# Altium PCB Slave.PcbDoc (part 10 of 11) (continued)
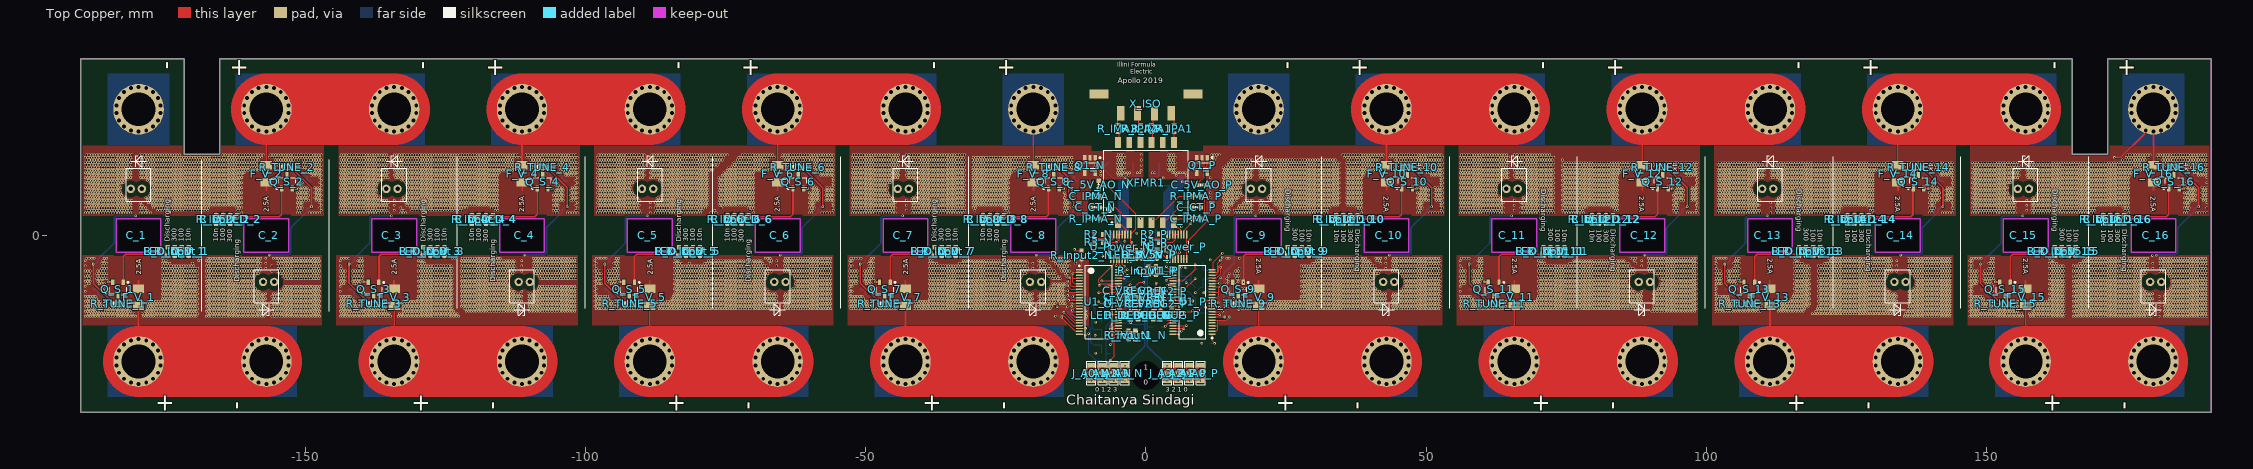
[diagram p0: Top Copper view]
## Nets (pads, with @x,y where several pads share a name; then routed paths per layer and width w, separated by ;. In a path a pad name is that pad's centre, name@x,y a point inside that pad or via, vN(x,y) a via of type N, cw(c..) or ccw(c..) an arc to the next point about the centre after c; other vN are vias at no path point) (continued)
NetC_CT_N_1: C_CT_N.1 XFMR1.2 | length 6.7
  Top Copper w0.102: C_CT_N.1@-8.25,5 -5.523,5 -3.4,2.876 -3.256,2.876 -2.797,2.417 XFMR1.2@-2.797,2.273
NetC_CT_P_1: C_CT_P.1 XFMR1.5 | length 6.3
  Top Copper w0.102: XFMR1.5@3.203,2.273 3.203,2.417 3.662,2.876 3.806,2.876 5.93,5 C_CT_P.1@8.25,5
NetC_IPMA_N_2: C_IPMA_N.2 R_IPMA_N.2 | length 4.7
  Top Copper w0.102: R_IPMA_N.2@-9.75,3 -9.775,3 -10.099,3.324 -10.099,3.349 -10.516,3.766 -10.516,6.234 -10.099,6.651 -10.099,6.676 -9.775,7 C_IPMA_N.2@-9.75,7
NetC_IPMA_P_2: C_IPMA_P.2 R_IPMA_P.2 | length 4.9
  Top Copper w0.102: C_IPMA_P.2@9.75,3 9.775,3 10.099,3.324 10.099,3.349 10.516,3.766 10.516,6.655 10.243,6.928 9.822,6.928 R_IPMA_P.2@9.75,7
NetC_V1_N_2: C_V1_N.2 R_Input1_N.1 U1_N.26 | length 3
  Top Copper w0.102: U1_N.26@-4.9,-17.1 -3.1,-17.1 -1.95,-17.1 R_Input1_N.1@-1.9,-17.15
NetC_V1_P_2: C_V1_P.2 R_Input1_P.1 U1_P.26 | length 4.8
  Top Copper w0.102: R_Input1_P.1@0.42,-7.06 1.79,-7.06 C_V1_P.2@1.81,-7.04 1.81,-7.015 2.134,-6.691 2.159,-6.691 2.473,-6.377 4.577,-6.377 U1_P.26@4.8,-6.6
NetD1_N_A: D1_N.A R1_N.2 R8_N.2 | length 3.8
  Bottom Copper w0.254: D1_N.A@-2.246,12.956 -2.246,10.746 -2.007,10.507 -0.857,10.507 R1_N.2@-0.75,10.4
NetD1_P_A: D1_P.A R1_P.2 R8_P.2 | length 4
  Bottom Copper w0.254: R1_P.2@0.75,10.4 R8_P.2@2,10.4 2,10.425 2.29,10.715 D1_P.A@2.29,13
NetJ_A0_N_3: J_A0_N.3 U1_N.45 | length 20.4
  Top Copper w0.102: U1_N.45@-4.9,-7.6 -3.934,-7.6 -3.9,-7.566 v3(-3.9,-7.6)
  Signal Layer 1 w0.102: v3(-9.75,-24.55) -7.525,-22.325 -7.525,-11.225 v3(-3.9,-7.6)
NetJ_A0_P_3: J_A0_P.3 U1_P.45 | length 11.8
  Top Copper w0.102: U1_P.45@4.8,-16.1 v3(7.19,-16.1)
  Signal Layer 1 w0.102: v3(7.19,-16.1) 7.19,-22.284 v3(9.456,-24.55)
NetJ_A1_N_3: J_A1_N.3 U1_N.46 | length 21
  Top Copper w0.102: U1_N.46@-4.9,-7.1 v3@-3.323,-7.1
  Signal Layer 1 w0.102: v3(-7.75,-24.55) -7.322,-24.122 -7.322,-11.322 -3.977,-7.977 -3.744,-7.977 -3.323,-7.556 v3(-3.323,-7.123)
NetJ_A1_P_3: J_A1_P.3 U1_P.46 | length 10.3
  Top Copper w0.102: U1_P.46@4.8,-16.6 6.76,-16.6 v3(6.77,-16.61)
  Signal Layer 1 w0.102: v3(6.77,-16.61) 6.77,-23.57 v3(7.75,-24.55)
NetJ_A2_N_3: J_A2_N.3 U1_N.47 | length 22.4
  Top Copper w0.102: U1_N.47@-4.9,-6.6 v3(-3.9,-6.6)
  Signal Layer 1 w0.102: v3(-5.575,-24.677) -7.119,-23.134 -7.119,-11.406 -3.893,-8.181 -3.647,-8.181 -2.92,-7.454 -2.92,-6.991 -3.311,-6.6 v3(-3.9,-6.6)
NetJ_A2_P_3: J_A2_P.3 U1_P.47 | length 9.3
  Top Copper w0.102: U1_P.47@4.8,-17.1 v3(6.32,-17.1)
  Signal Layer 1 w0.102: v3(5.625,-24.55) 6.32,-23.855 v3(6.32,-17.1)
NetJ_A3_N_3: J_A3_N.3 U1_N.48 | length 23.4
  Top Copper w0.102: U1_N.48@-4.9,-6.1 v3(-3.323,-6.1)
  Signal Layer 1 w0.102: v3@-3.72,-24.42 -3.72,-24.195 -6.915,-20.999 -6.915,-11.49 -3.809,-8.384 -3.563,-8.384 -2.717,-7.538 -2.717,-6.662 -3.279,-6.1 v3(-3.323,-6.1)
  other v3: -3.8,-24.5
NetJ_A3_P_3: J_A3_P.3 U1_P.48 | length 8.9
  Top Copper w0.102: U1_P.48@4.8,-17.6 v3(5.87,-17.6)
  Signal Layer 1 w0.102: v3(3.76,-24.55) 5.87,-22.44 v3(5.87,-17.6)
NetLED_5V_N_K: LED_5V_N.K R_5V_N.2 | length 1.2
  Top Copper w0.102: LED_5V_N.K@-1.821,-4.174 R_5V_N.2@-0.593,-4.174
NetLED_5V_P_K: LED_5V_P.K R_5V_P.2 | length 1.3
  Top Copper w0.102: LED_5V_P.K@0.613,-4.193 R_5V_P.2@1.889,-4.193
NetLED_D_1_A: LED_D_1.A R_D_LED_1.1 | length 1.3
  Top Copper w0.305: LED_D_1.A@-174.5,-2.1 R_D_LED_1.1@-173.25,-2.1
NetLED_D_2_A: LED_D_2.A R_D_LED_2.1 | length 1.3
  Top Copper w0.305: R_D_LED_2.1@-163.35,2.1 LED_D_2.A@-162.1,2.1
NetLED_D_3_A: LED_D_3.A R_D_LED_3.1 | length 1.3
  Top Copper w0.305: LED_D_3.A@-128.9,-2.1 R_D_LED_3.1@-127.65,-2.1
NetLED_D_4_A: LED_D_4.A R_D_LED_4.1 | length 1.3
  Top Copper w0.305: R_D_LED_4.1@-117.75,2.1 LED_D_4.A@-116.5,2.1
NetLED_D_5_A: LED_D_5.A R_D_LED_5.1 | length 1.3
  Top Copper w0.305: LED_D_5.A@-83.3,-2.1 R_D_LED_5.1@-82.05,-2.1
NetLED_D_6_A: LED_D_6.A R_D_LED_6.1 | length 1.3
  Top Copper w0.305: R_D_LED_6.1@-72.15,2.1 LED_D_6.A@-70.9,2.1
NetLED_D_7_A: LED_D_7.A R_D_LED_7.1 | length 1.3
  Top Copper w0.305: LED_D_7.A@-37.7,-2.1 R_D_LED_7.1@-36.45,-2.1
NetLED_D_8_A: LED_D_8.A R_D_LED_8.1 | length 1.3
  Top Copper w0.305: R_D_LED_8.1@-26.55,2.1 LED_D_8.A@-25.3,2.1
NetLED_D_9_A: LED_D_9.A R_D_LED_9.1 | length 1.3
  Top Copper w0.305: LED_D_9.A@25.3,-2.1 R_D_LED_9.1@26.55,-2.1
NetLED_D_10_A: LED_D_10.A R_D_LED_10.1 | length 1.3
  Top Copper w0.305: R_D_LED_10.1@36.45,2.1 LED_D_10.A@37.7,2.1
NetLED_D_11_A: LED_D_11.A R_D_LED_11.1 | length 1.3
  Top Copper w0.305: LED_D_11.A@70.9,-2.1 R_D_LED_11.1@72.15,-2.1
NetLED_D_12_A: LED_D_12.A R_D_LED_12.1 | length 1.3
  Top Copper w0.305: R_D_LED_12.1@82.05,2.1 LED_D_12.A@83.3,2.1
NetLED_D_13_A: LED_D_13.A R_D_LED_13.1 | length 1.3
  Top Copper w0.305: LED_D_13.A@116.5,-2.1 R_D_LED_13.1@117.75,-2.1
NetLED_D_14_A: LED_D_14.A R_D_LED_14.1 | length 1.3
  Top Copper w0.305: R_D_LED_14.1@127.65,2.1 LED_D_14.A@128.9,2.1
NetLED_D_15_A: LED_D_15.A R_D_LED_15.1 | length 1.3
  Top Copper w0.305: LED_D_15.A@162.1,-2.1 R_D_LED_15.1@163.35,-2.1
NetLED_D_16_A: LED_D_16.A R_D_LED_16.1 | length 1.3
  Top Copper w0.305: R_D_LED_16.1@173.25,2.1 LED_D_16.A@174.5,2.1
NetLED_DEBUG_N_K: LED_DEBUG_N.K R_DEBUG_N.2 | length 1.3
  Top Copper w0.102: LED_DEBUG_N.K@-2.7,-13.45 -1.45,-13.45 R_DEBUG_N.2@-1.4,-13.5
NetLED_DEBUG_P_K: LED_DEBUG_P.K R_DEBUG_P.2 | length 1.3
  Top Copper w0.102: R_DEBUG_P.2@1.3,-14.95 LED_DEBUG_P.K@2.6,-14.95
NetPTC_1_1: PTC_1.1 Q_S_1.2 | length 4.6
  Top Copper w0.102: Q_S_1.2@-184.574,-8.768 -184.325,-8.519 Q_S_1.2@-184.325,-8.375
  Top Copper w0.305: v3(-185.1,-8.3) -184.4,-8.3 Q_S_1.2@-184.325,-8.375
  Bottom Copper w0.305: v3(-185.1,-8.3) -185.1,-10.35 PTC_1.1@-184.25,-11.2
NetPTC_2_1: PTC_2.1 Q_S_2.2 | length 4.6
  Top Copper w0.102: Q_S_2.2@-152.275,8.375 -152.275,8.519 Q_S_2.2@-152.026,8.768
  Top Copper w0.305: Q_S_2.2@-152.275,8.375 -152.2,8.3 v3(-151.5,8.3)
  Bottom Copper w0.305: PTC_2.1@-152.35,11.2 -151.5,10.35 v3(-151.5,8.3)
NetPTC_3_1: PTC_3.1 Q_S_3.2 | length 4.6
  Top Copper w0.102: Q_S_3.2@-138.974,-8.768 -138.725,-8.519 Q_S_3.2@-138.725,-8.375
  Top Copper w0.305: v3(-139.5,-8.3) -138.8,-8.3 Q_S_3.2@-138.725,-8.375
  Bottom Copper w0.305: v3(-139.5,-8.3) -139.5,-10.35 PTC_3.1@-138.65,-11.2
NetPTC_4_1: PTC_4.1 Q_S_4.2 | length 4.6
  Top Copper w0.102: Q_S_4.2@-106.675,8.375 -106.675,8.519 Q_S_4.2@-106.426,8.768
  Top Copper w0.305: Q_S_4.2@-106.675,8.375 -106.6,8.3 v3(-105.9,8.3)
  Bottom Copper w0.305: PTC_4.1@-106.75,11.2 -105.9,10.35 v3(-105.9,8.3)
NetPTC_5_1: PTC_5.1 Q_S_5.2 | length 4.6
  Top Copper w0.102: Q_S_5.2@-93.374,-8.768 -93.125,-8.519 Q_S_5.2@-93.125,-8.375
  Top Copper w0.305: v3(-93.9,-8.3) -93.2,-8.3 Q_S_5.2@-93.125,-8.375
  Bottom Copper w0.305: v3(-93.9,-8.3) -93.9,-10.35 PTC_5.1@-93.05,-11.2
NetPTC_6_1: PTC_6.1 Q_S_6.2 | length 4.6
  Top Copper w0.102: Q_S_6.2@-61.075,8.375 -61.075,8.519 Q_S_6.2@-60.826,8.768
  Top Copper w0.305: Q_S_6.2@-61.075,8.375 -61,8.3 v3(-60.3,8.3)
  Bottom Copper w0.305: PTC_6.1@-61.15,11.2 -60.3,10.35 v3(-60.3,8.3)
NetPTC_7_1: PTC_7.1 Q_S_7.2 | length 4.6
  Top Copper w0.102: Q_S_7.2@-47.774,-8.768 -47.525,-8.519 Q_S_7.2@-47.525,-8.375
  Top Copper w0.305: v3(-48.3,-8.3) -47.6,-8.3 Q_S_7.2@-47.525,-8.375
  Bottom Copper w0.305: v3(-48.3,-8.3) -48.3,-10.35 PTC_7.1@-47.45,-11.2
NetPTC_8_1: PTC_8.1 Q_S_8.2 | length 4.6
  Top Copper w0.102: Q_S_8.2@-15.475,8.375 -15.475,8.519 Q_S_8.2@-15.226,8.768
  Top Copper w0.305: Q_S_8.2@-15.475,8.375 -15.4,8.3 v3(-14.7,8.3)
  Bottom Copper w0.305: PTC_8.1@-15.55,11.2 -14.7,10.35 v3(-14.7,8.3)
NetPTC_9_1: PTC_9.1 Q_S_9.2 | length 3
  Top Copper w0.102: Q_S_9.2@15.475,-8.375 15.611,-8.511 v3(15.611,-11.227)
  Bottom Copper w0.102: PTC_9.1@15.55,-11.2 15.584,-11.2 v3(15.611,-11.227)
NetPTC_10_1: PTC_10.1 Q_S_10.2 | length 4.6
  Top Copper w0.102: Q_S_10.2@47.525,8.375 47.525,8.519 Q_S_10.2@47.774,8.768
  Top Copper w0.305: Q_S_10.2@47.525,8.375 47.6,8.3 v3(48.3,8.3)
  Bottom Copper w0.305: PTC_10.1@47.45,11.2 48.3,10.35 v3(48.3,8.3)
NetPTC_11_1: PTC_11.1 Q_S_11.2 | length 4.6
  Top Copper w0.102: Q_S_11.2@60.826,-8.768 61.075,-8.519 Q_S_11.2@61.075,-8.375
  Top Copper w0.305: v3(60.3,-8.3) 61,-8.3 Q_S_11.2@61.075,-8.375
  Bottom Copper w0.305: v3(60.3,-8.3) 60.3,-10.35 PTC_11.1@61.15,-11.2
NetPTC_12_1: PTC_12.1 Q_S_12.2 | length 4.6
  Top Copper w0.102: Q_S_12.2@93.125,8.375 93.125,8.519 Q_S_12.2@93.374,8.768
  Top Copper w0.305: Q_S_12.2@93.125,8.375 93.2,8.3 v3(93.9,8.3)
  Bottom Copper w0.305: PTC_12.1@93.05,11.2 93.9,10.35 v3(93.9,8.3)
NetPTC_13_1: PTC_13.1 Q_S_13.2 | length 4.6
  Top Copper w0.102: Q_S_13.2@106.426,-8.768 106.675,-8.519 Q_S_13.2@106.675,-8.375
  Top Copper w0.305: v3(105.9,-8.3) 106.6,-8.3 Q_S_13.2@106.675,-8.375
  Bottom Copper w0.305: v3(105.9,-8.3) 105.9,-10.35 PTC_13.1@106.75,-11.2
NetPTC_14_1: PTC_14.1 Q_S_14.2 | length 4.6
  Top Copper w0.102: Q_S_14.2@138.725,8.375 138.725,8.519 Q_S_14.2@138.974,8.768
  Top Copper w0.305: Q_S_14.2@138.725,8.375 138.8,8.3 v3(139.5,8.3)
  Bottom Copper w0.305: PTC_14.1@138.65,11.2 139.5,10.35 v3(139.5,8.3)
NetPTC_15_1: PTC_15.1 Q_S_15.2 | length 4.6
  Top Copper w0.102: Q_S_15.2@152.026,-8.768 152.275,-8.519 Q_S_15.2@152.275,-8.375
  Top Copper w0.305: v3(151.5,-8.3) 152.2,-8.3 Q_S_15.2@152.275,-8.375
  Bottom Copper w0.305: v3(151.5,-8.3) 151.5,-10.35 PTC_15.1@152.35,-11.2
NetPTC_16_1: PTC_16.1 Q_S_16.2 | length 4.6
  Top Copper w0.102: Q_S_16.2@184.325,8.375 184.325,8.519 Q_S_16.2@184.574,8.768
  Top Copper w0.305: Q_S_16.2@184.325,8.375 184.4,8.3 v3(185.1,8.3)
  Bottom Copper w0.305: PTC_16.1@184.25,11.2 185.1,10.35 v3(185.1,8.3)
NetQ2_N_1: Q2_N.1 R_DEBUG_PU_N.2 U1_N.33 | length 4.6
  Top Copper w0.102: U1_N.33@-4.9,-13.6 v3(-3.7,-13.6)
  Bottom Copper w0.102: R_DEBUG_PU_N.2@-4.765,-12.367 -2.983,-12.367 Q2_N.1@-2.85,-12.5 -2.85,-12.75 v3(-3.7,-13.6)
NetQ2_N_3: Q2_N.3 R_DEBUG_N.1 | length 0.4
  Top Copper w0.102: v3(-1.8,-14.9) -1.7,-15 R_DEBUG_N.1@-1.4,-15
NetQ2_P_1: Q2_P.1 R_DEBUG_PU_P.2 U1_P.33 | length 4.9
  Top Copper w0.102: v3(3.6,-9.85) 3.85,-10.1 U1_P.33@4.8,-10.1
  Bottom Copper w0.102: v3(3.6,-9.85) 2.999,-10.451 2.75,-10.7 Q2_P.1@2.75,-10.9 2.75,-11.022 2.999,-11.271 R_DEBUG_PU_P.2@4.75,-11.271
NetQ2_P_3: Q2_P.3 R_DEBUG_P.1 | length 5.2
  Top Copper w0.102: R_DEBUG_P.1@1.3,-13.45 1.3,-13.425 1.624,-13.101 1.649,-13.101 1.8,-12.95 v3(1.8,-8.5)
NetQ_D_1_1: Q_D_1.1 Q_S_1.3 R_TUNE_1.2 | length 8.2
  Top Copper w0.102: Q_S_1.3@-183.375,-10.919 Q_S_1.3@-183.375,-10.775
  Top Copper w0.305: Q_S_1.3@-183.375,-10.919 -183.282,-11.012 -183.282,-11.518 v3(-182.6,-12.2)
  Bottom Copper w0.305: Q_D_1.1@-187.75,-9.65 -187.329,-9.65 -186.882,-10.098 -186.882,-10.518 -185.2,-12.2 v3(-182.6,-12.2)
NetQ_D_2_1: Q_D_2.1 Q_S_2.3 R_TUNE_2.2 | length 8.2
  Top Copper w0.102: R_TUNE_2.2@-153.676,12.524 R_TUNE_2.2@-153.676,12.549 ; Q_S_2.3@-153.225,10.775 Q_S_2.3@-153.225,10.919
  Top Copper w0.305: v3(-154,12.2) -153.318,11.518 -153.318,11.012 Q_S_2.3@-153.225,10.919
  Bottom Copper w0.305: v3(-154,12.2) -151.4,12.2 -149.718,10.518 -149.718,10.098 -149.271,9.65 Q_D_2.1@-148.85,9.65
NetQ_D_3_1: Q_D_3.1 Q_S_3.3 R_TUNE_3.2 | length 8.2
  Top Copper w0.102: Q_S_3.3@-137.775,-10.919 Q_S_3.3@-137.775,-10.775
  Top Copper w0.305: Q_S_3.3@-137.775,-10.919 -137.682,-11.012 -137.682,-11.518 v3(-137,-12.2)
  Bottom Copper w0.305: Q_D_3.1@-142.15,-9.65 -141.729,-9.65 -141.282,-10.098 -141.282,-10.518 -139.6,-12.2 v3(-137,-12.2)
NetQ_D_4_1: Q_D_4.1 Q_S_4.3 R_TUNE_4.2 | length 8.2
  Top Copper w0.102: R_TUNE_4.2@-108.076,12.524 R_TUNE_4.2@-108.076,12.549 ; Q_S_4.3@-107.625,10.775 Q_S_4.3@-107.625,10.919
  Top Copper w0.305: v3(-108.4,12.2) -107.718,11.518 -107.718,11.012 Q_S_4.3@-107.625,10.919
  Bottom Copper w0.305: v3(-108.4,12.2) -105.8,12.2 -104.118,10.518 -104.118,10.098 -103.671,9.65 Q_D_4.1@-103.25,9.65
NetQ_D_5_1: Q_D_5.1 Q_S_5.3 R_TUNE_5.2 | length 8.2
  Top Copper w0.102: Q_S_5.3@-92.175,-10.919 Q_S_5.3@-92.175,-10.775
  Top Copper w0.305: Q_S_5.3@-92.175,-10.919 -92.082,-11.012 -92.082,-11.518 v3(-91.4,-12.2)
  Bottom Copper w0.305: Q_D_5.1@-96.55,-9.65 -96.129,-9.65 -95.682,-10.098 -95.682,-10.518 -94,-12.2 v3(-91.4,-12.2)
NetQ_D_6_1: Q_D_6.1 Q_S_6.3 R_TUNE_6.2 | length 8.2
  Top Copper w0.102: R_TUNE_6.2@-62.476,12.524 R_TUNE_6.2@-62.476,12.549 ; Q_S_6.3@-62.025,10.775 Q_S_6.3@-62.025,10.919
  Top Copper w0.305: v3(-62.8,12.2) -62.118,11.518 -62.118,11.012 Q_S_6.3@-62.025,10.919
  Bottom Copper w0.305: v3(-62.8,12.2) -60.2,12.2 -58.518,10.518 -58.518,10.098 -58.071,9.65 Q_D_6.1@-57.65,9.65
NetQ_D_7_1: Q_D_7.1 Q_S_7.3 R_TUNE_7.2 | length 8.2
  Top Copper w0.102: Q_S_7.3@-46.575,-10.919 Q_S_7.3@-46.575,-10.775
  Top Copper w0.305: Q_S_7.3@-46.575,-10.919 -46.482,-11.012 -46.482,-11.518 v3(-45.8,-12.2)
  Bottom Copper w0.305: Q_D_7.1@-50.95,-9.65 -50.529,-9.65 -50.082,-10.098 -50.082,-10.518 -48.4,-12.2 v3(-45.8,-12.2)
NetQ_D_8_1: Q_D_8.1 Q_S_8.3 R_TUNE_8.2 | length 8.2
  Top Copper w0.102: R_TUNE_8.2@-16.876,12.524 R_TUNE_8.2@-16.876,12.549 ; Q_S_8.3@-16.425,10.775 Q_S_8.3@-16.425,10.919
  Top Copper w0.305: v3(-17.2,12.2) -16.518,11.518 -16.518,11.012 Q_S_8.3@-16.425,10.919
  Bottom Copper w0.305: v3(-17.2,12.2) -14.6,12.2 -12.918,10.518 -12.918,10.098 -12.471,9.65 Q_D_8.1@-12.05,9.65
NetQ_D_9_1: Q_D_9.1 Q_S_9.3 R_TUNE_9.2 | length 6.4
  Top Copper w0.305: Q_S_9.3@16.425,-10.775 16.531,-10.881 16.531,-11.506 16.977,-11.952 16.977,-11.977 17.2,-12.2 v3(17.225,-12.2)
  Bottom Copper w0.305: Q_D_9.1@15.25,-9.75 14.896,-10.104 14.896,-11.68 15.416,-12.2 v3(17.225,-12.2)
NetQ_D_10_1: Q_D_10.1 Q_S_10.3 R_TUNE_10.2 | length 8.2
  Top Copper w0.102: R_TUNE_10.2@46.124,12.524 R_TUNE_10.2@46.124,12.549 ; Q_S_10.3@46.575,10.775 Q_S_10.3@46.575,10.919
  Top Copper w0.305: v3(45.8,12.2) 46.482,11.518 46.482,11.012 Q_S_10.3@46.575,10.919
  Bottom Copper w0.305: v3(45.8,12.2) 48.4,12.2 50.082,10.518 50.082,10.098 50.529,9.65 Q_D_10.1@50.95,9.65
NetQ_D_11_1: Q_D_11.1 Q_S_11.3 R_TUNE_11.2 | length 8.2
  Top Copper w0.102: Q_S_11.3@62.025,-10.919 Q_S_11.3@62.025,-10.775
  Top Copper w0.305: Q_S_11.3@62.025,-10.919 62.118,-11.012 62.118,-11.518 v3(62.8,-12.2)
  Bottom Copper w0.305: Q_D_11.1@57.65,-9.65 58.071,-9.65 58.518,-10.098 58.518,-10.518 60.2,-12.2 v3(62.8,-12.2)
NetQ_D_12_1: Q_D_12.1 Q_S_12.3 R_TUNE_12.2 | length 8.2
  Top Copper w0.102: R_TUNE_12.2@91.724,12.524 R_TUNE_12.2@91.724,12.549 ; Q_S_12.3@92.175,10.775 Q_S_12.3@92.175,10.919
  Top Copper w0.305: v3(91.4,12.2) 92.082,11.518 92.082,11.012 Q_S_12.3@92.175,10.919
  Bottom Copper w0.305: v3(91.4,12.2) 94,12.2 95.682,10.518 95.682,10.098 96.129,9.65 Q_D_12.1@96.55,9.65
NetQ_D_13_1: Q_D_13.1 Q_S_13.3 R_TUNE_13.2 | length 8.3
  Top Copper w0.102: Q_S_13.3@107.625,-10.919 Q_S_13.3@107.625,-10.775
  Top Copper w0.305: Q_S_13.3@107.625,-10.919 107.718,-11.012 107.718,-11.242 107.85,-11.242 108.131,-11.523 108.131,-11.919 108.125,-11.925 v3(108.4,-12.2)
  Bottom Copper w0.305: Q_D_13.1@103.25,-9.65 103.671,-9.65 104.118,-10.098 104.118,-10.518 105.621,-12.021 106.198,-12.021 106.377,-12.2 v3(108.4,-12.2)
NetQ_D_14_1: Q_D_14.1 Q_S_14.3 R_TUNE_14.2 | length 8.2
  Top Copper w0.102: R_TUNE_14.2@137.324,12.524 R_TUNE_14.2@137.324,12.549 ; Q_S_14.3@137.775,10.775 Q_S_14.3@137.775,10.919
  Top Copper w0.305: v3(137,12.2) 137.682,11.518 137.682,11.012 Q_S_14.3@137.775,10.919
  Bottom Copper w0.305: v3(137,12.2) 139.6,12.2 141.282,10.518 141.282,10.098 141.729,9.65 Q_D_14.1@142.15,9.65
NetQ_D_15_1: Q_D_15.1 Q_S_15.3 R_TUNE_15.2 | length 8.2
  Top Copper w0.102: Q_S_15.3@153.225,-10.919 Q_S_15.3@153.225,-10.775
  Top Copper w0.305: Q_S_15.3@153.225,-10.919 153.318,-11.012 153.318,-11.518 v3(154,-12.2)
  Bottom Copper w0.305: Q_D_15.1@148.85,-9.65 149.271,-9.65 149.718,-10.098 149.718,-10.518 151.4,-12.2 v3(154,-12.2)
NetQ_D_16_1: Q_D_16.1 Q_S_16.3 R_TUNE_16.2 | length 8.2
  Top Copper w0.102: R_TUNE_16.2@182.924,12.524 R_TUNE_16.2@182.924,12.549 ; Q_S_16.3@183.375,10.775 Q_S_16.3@183.375,10.919
  Top Copper w0.305: v3(182.6,12.2) 183.282,11.518 183.282,11.012 Q_S_16.3@183.375,10.919
  Bottom Copper w0.305: v3(182.6,12.2) 185.2,12.2 186.882,10.518 186.882,10.098 187.329,9.65 Q_D_16.1@187.75,9.65
NetR_IMA1_2: R_IMA1.2 XFMR1.9 | length 2.1
  Top Copper w0.102: XFMR1.9@1.203,16.573 1.203,18.097 R_IMA1.2@1,18.3 1.004,18.3 R_IMA1.2@1.203,18.101
NetR_IMA2_2: R_IMA2.2 XFMR1.12 | length 1.7
  Top Copper w0.102: R_IMA2.2@-5,18.225 -4.797,18.022 XFMR1.12@-4.797,16.573
NetR_Input2_N_1: R_Input2_N.1 U1_N.1 | length 2.1
  Top Copper w0.102: U1_N.1@-11.9,-6.1 -11.751,-6.1 -11.682,-6.031 -11.682,-5.882 -11.5,-5.7 R_Input2_N.1@-11.5,-4.25
NetR_Input2_P_1: R_Input2_P.1 U1_P.1 | length 2.6
  Top Copper w0.102: U1_P.1@11.8,-17.6 11.8,-18.8 v3(12.25,-19.25)
  Bottom Copper w0.102: R_Input2_P.1@11.5,-19.25 v3(12.25,-19.25)
NetR_IPA1_2: R_IPA1.2 XFMR1.7 | length 2
  Top Copper w0.102: XFMR1.7@4.744,17.176 4.744,16.911 XFMR1.7@5.009,17.176 ; XFMR1.7@4.877,17.044 5.203,16.717 XFMR1.7@5.203,16.573 ; 5.009,17.526 R_IPA1.2@5.009,18.3
NetR_IPA2_2: R_IPA2.2 XFMR1.10 | length 2.3
  Top Copper w0.102: XFMR1.10@-0.797,16.573 -1.227,17.003 -1.227,18.073 R_IPA2.2@-1,18.3 -0.996,18.3 R_IPA2.2@-0.797,18.101
POS8_C2: C_16.+ D1_P.K F_V_16.1 R_Input2_P.2 | length 221.7
  Top Copper w0.254: v3(7.7,11.8) 7.7,11.747 v3@7.75,11.697 ; v3(172.731,13.9) 173.866,13.9 178.027,18.06 178.027,20.827 C_16.+@179.7,22.5
  Top Copper w0.305: F_V_16.1@179.7,12.545 C_16.+@179.7,22.5
  Signal Layer 1 w0.102: v3(7.7,11.8) 7.7,6.854 7.624,6.778 7.624,-12.199 7.7,-12.275 7.7,-16.968 v3(9.982,-19.25)
  Signal Layer 2 w0.254: v3(7.7,11.8) 11.65,15.75 72.77,15.75 74.62,13.9 v3(172.731,13.9)
  other v2: 179.7,18.5 178.332,18.741 181.068,18.741 177.129,19.436 182.271,19.436 176.236,20.5 183.164,20.5 175.761,21.805 183.639,21.805 175.761,23.195 183.639,23.195 176.236,24.5 183.164,24.5 177.129,25.564 182.271,25.564 178.332,26.259 181.068,26.259 179.7,26.5
REG_N: C1_N.1 Q1_N.1 Q3_N.2 Q3_N.4 R1_N.1 R8_N.1 | length 18.8
  Top Copper w0.102: Q1_N.1@-9.05,13.875 -9.05,13.308 -6.054,10.312 v3(-3.581,10.312)
  Bottom Copper w0.254: C1_N.1@-4,9.25 -3.65,8.9 R8_N.1@-2,8.9 R1_N.1@-0.75,8.9
  Bottom Copper w2: Q3_N.2@-4,1.075 Q3_N.4@-4,6.925 C1_N.1@-4,9.25
REG_P: C1_P.1 Q1_P.1 Q3_P.2 Q3_P.4 R1_P.1 R8_P.1 | length 22.4
  Top Copper w0.102: v3(6.502,9.55) 9.5,9.55 10.347,10.397 10.347,10.481 10.338,10.49 10.338,11.786 10.95,12.398 Q1_P.1@10.95,13.875
  Bottom Copper w0.254: R1_P.1@0.75,8.9 R8_P.1@2,8.9 5.65,8.9
  Bottom Copper w2: Q3_P.2@4,1.075 Q3_P.4@4,6.925 4,7.25 5.65,8.9 C1_P.1@6.401,9.651
S1_C1: LED_D_1.K Q_S_1.1 U1_N.25 | length 194.4
  Top Copper w0.102: v3(-5,-18.25) -4.9,-18.15 U1_N.25@-4.9,-17.6
  Top Copper w0.305: Q_S_1.1@-182.425,-8.375 -182.425,-3.777 -182,-3.352 -174.723,-3.352 LED_D_1.K@-174.5,-3.575
  Signal Layer 2 w0.102: v3(-174.5,-3.6) -170.788,-3.6 -168.703,-5.684 -168.703,-14.778 -167.731,-15.75 -14.654,-15.75 -12.154,-18.25 v3(-5,-18.25)
S1_C2: LED_D_9.K Q_S_9.1 U1_P.25 | length 30.3
  Top Copper w0.102: v3(3.625,-5.55) 4.147,-6.072 4.772,-6.072 U1_P.25@4.8,-6.1 ; Q_S_9.1@17.375,-8.375 v3(17.375,-8.35)
  Top Copper w0.305: v3(17.375,-8.35) 17.375,-3.777 17.8,-3.352 25.077,-3.352 LED_D_9.K@25.3,-3.575
  Signal Layer 2 w0.102: v3(3.625,-5.55) 4.458,-6.383 8.116,-6.383 11.53,-9.797 15.928,-9.797 v3(17.375,-8.35)
S2_C1: LED_D_2.K Q_S_2.1 U1_N.23 | length 190.8
  Top Copper w0.102: v3(-15.037,-14.554) -15.037,-14.681 -12.618,-17.1 U1_N.23@-11.9,-17.1
  Top Copper w0.305: LED_D_2.K@-161.877,3.352 -154.6,3.352 -154.175,3.777 Q_S_2.1@-154.175,8.375
  Signal Layer 2 w0.102: v3(-162.1,3.5) -168.094,-2.494 -168.094,-14.525 -167.478,-15.14 -15.623,-15.14 v3(-15.037,-14.554)
S2_C2: LED_D_10.K Q_S_10.1 U1_P.23 | length 68.6
  Top Copper w0.102: U1_P.23@11.8,-6.6 12.594,-6.6 12.754,-6.44 12.754,-4.924 v3(13.259,-4.42) ; v3(37.7,3.575) LED_D_10.K@37.7,3.6
  Top Copper w0.305: v3(37.7,3.575) 37.923,3.352 45.2,3.352 45.625,3.777 Q_S_10.1@45.625,8.375
  Signal Layer 2 w0.102: v3(13.259,-4.42) 12.888,-4.049 12.888,12.463 15.082,14.658 33.93,14.658 35.403,13.184 35.403,4.297 36.125,3.575 v3(37.7,3.575)
S3_C1: LED_D_3.K Q_S_3.1 U1_N.21 | length 139.8
  Top Copper w0.102: v3(-16.161,-14.427) -15.907,-14.173 -14.884,-14.173 -12.957,-16.1 U1_N.21@-11.9,-16.1
  Top Copper w0.305: Q_S_3.1@-136.825,-8.375 -136.825,-3.777 -136.4,-3.352 -129.123,-3.352 -128.9,-3.575 v3(-128.9,-3.6)
  Signal Layer 2 w0.102: v3(-128.9,-3.6) -125.187,-3.6 -123.203,-5.584 -123.203,-13.046 -121.515,-14.734 -16.468,-14.734 v3(-16.161,-14.427)
S3_C2: LED_D_11.K Q_S_11.1 U1_P.21 | length 114.7
  Top Copper w0.102: U1_P.21@11.8,-7.6 12.257,-7.6 12.326,-7.531 12.662,-7.531 13.335,-6.858 v3(13.335,-5.69)
  Top Copper w0.305: Q_S_11.1@62.975,-8.375 62.975,-3.777 63.4,-3.352 70.677,-3.352 LED_D_11.K@70.9,-3.575
  Signal Layer 2 w0.102: v3(13.335,-5.69) 12.685,-5.039 12.685,12.547 14.998,14.861 72.402,14.861 73.197,14.066 73.197,-1.353 v3(70.95,-3.6)
S4_C1: LED_D_4.K Q_S_4.1 U1_N.19 | length 145.1
  Top Copper w0.102: v3(-116.5,3.575) LED_D_4.K@-116.5,3.6 ; v3(-14.021,-12.725) -14.021,-13.792 -12.713,-15.1 U1_N.19@-11.9,-15.1
  Top Copper w0.305: v3(-116.5,3.575) -116.277,3.352 -109,3.352 -108.575,3.777 Q_S_4.1@-108.575,8.375
  Signal Layer 2 w0.102: v3(-116.5,3.575) -122.594,-2.519 -122.594,-12.793 -121.262,-14.124 -16.987,-14.124 -16.023,-13.161 -14.456,-13.161 v3(-14.021,-12.725)
S4_C2: LED_D_12.K Q_S_12.1 U1_P.19 | length 120
  Top Copper w0.102: U1_P.19@11.8,-8.6 11.828,-8.572 13.069,-8.572 v3(13.106,-8.534)
  Top Copper w0.305: LED_D_12.K@83.3,3.575 83.523,3.352 90.8,3.352 91.225,3.777 Q_S_12.1@91.225,8.375
  Signal Layer 2 w0.102: v3(13.106,-8.534) 12.075,-7.503 12.075,12.8 14.746,15.471 72.654,15.471 73.806,14.318 73.806,3.358 74.011,3.153 80.059,3.153 80.108,3.104 82.804,3.104 v3(83.3,3.6)
S5_C1: LED_D_5.K Q_S_5.1 U1_N.13 | length 128.5
  Top Copper w0.102: v3(-13.233,-12.09) -11.91,-12.09 U1_N.13@-11.9,-12.1
  Top Copper w0.305: Q_S_5.1@-91.225,-8.375 -91.225,-3.777 -90.8,-3.352 -83.523,-3.352 LED_D_5.K@-83.3,-3.575
  Signal Layer 2 w0.102: v3(-83.2,-3.5) -83.2,-0.7 -77.406,5.094 -77.406,10.668 -72.475,15.6 -12.213,15.6 -10.831,14.218 -10.831,-11.847 -11.1,-12.116 -13.208,-12.116 v3(-13.233,-12.09)
S5_C2: LED_D_13.K Q_S_13.1 U1_P.13 | length 134.8
  Top Copper w0.102: v3(10.363,-11.659) 10.422,-11.6 U1_P.13@11.8,-11.6 ; LED_D_13.K@116.5,-3.6 v3(116.5,-3.575)
  Top Copper w0.305: Q_S_13.1@108.575,-8.375 108.575,-3.777 109,-3.352 116.277,-3.352 v3(116.5,-3.575)
  Signal Layer 2 w0.102: v3(10.363,-11.659) 13.944,-11.659 14.118,-11.833 14.431,-11.833 14.457,-11.807 16.656,-14.006 117.381,-14.006 118.797,-12.591 118.797,-4.897 117.475,-3.575 v3(116.5,-3.575)
S6_C1: LED_D_6.K Q_S_6.1 U1_N.11 | length 119.8
  Top Copper w0.102: v3(-13.97,-10.693) -13.284,-11.379 -12.801,-11.379 U1_N.11@-12.522,-11.1
  Top Copper w0.305: LED_D_6.K@-70.9,3.575 -70.677,3.352 -63.4,3.352 -62.975,3.777 Q_S_6.1@-62.975,8.375
  Signal Layer 2 w0.102: v3(-70.9,3.6) -75.213,3.6 -76.797,5.184 -76.797,10.416 -72.222,14.99 -12.465,14.99 -11.44,13.965 -11.44,-8.164 v3(-13.97,-10.693)
S6_C2: LED_D_14.K Q_S_14.1 U1_P.11 | length 143.1
  Top Copper w0.102: U1_P.11@11.8,-12.6 12.854,-12.6 v3(13.081,-12.827)
  Top Copper w0.305: LED_D_14.K@128.913,3.563 129.123,3.352 136.4,3.352 136.825,3.777 Q_S_14.1@136.825,8.375
  Signal Layer 2 w0.102: v3(13.081,-12.827) 14.614,-12.827 16.403,-14.616 117.634,-14.616 119.406,-12.843 119.406,-4.481 125.267,1.38 126.73,1.38 v3(128.875,3.525)
S7_C1: LED_D_7.K Q_S_7.1 U1_N.9 | length 80.3
  Top Copper w0.102: v3(-13.97,-9.881) -13.959,-9.881 -13.74,-10.1 U1_N.9@-11.9,-10.1
  Top Copper w0.305: Q_S_7.1@-45.625,-8.375 -45.625,-3.777 -45.2,-3.352 LED_D_7.K@-37.923,-3.352
  Signal Layer 2 w0.102: v3(-37.7,-3.5) -31.906,2.294 -31.906,14.084 -31.203,14.787 -12.549,14.787 -11.643,13.881 -11.643,-7.554 v3(-13.97,-9.881)
S7_C2: LED_D_15.K Q_S_15.1 U1_P.9 | length 178.8
  Top Copper w0.102: U1_P.9@11.8,-13.6 13.629,-13.6 v3(13.665,-13.564) ; LED_D_15.K@162.1,-3.6 v3(162.1,-3.575)
  Top Copper w0.305: Q_S_15.1@154.175,-8.375 154.175,-3.777 154.6,-3.352 161.877,-3.352 v3(162.1,-3.575)
  Signal Layer 2 w0.102: v3(13.665,-13.564) 14.776,-13.564 16.235,-15.022 163.84,-15.022 164.397,-14.466 164.397,-4.6 163.372,-3.575 v3(162.1,-3.575)
S8_C1: LED_D_8.K Q_S_8.1 U1_N.7 | length 73.8
  Top Copper w0.102: v3(-13.566,-7.566) -13.417,-7.716 -13.417,-8.944 -13.26,-9.1 U1_N.7@-11.9,-9.1
  Top Copper w0.305: v3(-25.3,3.575) -25.077,3.352 -17.8,3.352 -17.375,3.777 Q_S_8.1@-17.375,8.375
  Signal Layer 2 w0.102: v3(-25.3,3.575) -30.475,3.575 -31.5,4.6 -31.5,13.916 -31.035,14.381 -12.718,14.381 -12.05,13.713 -12.05,-6.05 -12.665,-6.664 -12.653,-6.676 -12.653,-6.989 -12.874,-7.21 -13.187,-7.21 -13.198,-7.198 v3(-13.566,-7.566)
S8_C2: LED_D_16.K Q_S_16.1 U1_P.7 | length 190
  Top Copper w0.102: U1_P.7@11.8,-14.6 11.828,-14.572 12.416,-14.572 12.434,-14.554 v3(14.072,-14.554) ; v3(174.5,3.575) LED_D_16.K@174.5,3.6
  Top Copper w0.305: v3(174.5,3.575) 174.723,3.352 182,3.352 182.425,3.777 Q_S_16.1@182.425,8.375
  Signal Layer 2 w0.102: v3(14.072,-14.554) 15.149,-15.632 164.093,-15.632 165.006,-14.718 165.006,-4.44 171.168,1.722 172.647,1.722 v3(174.5,3.575)
SCK_N: U1_N.42 U_Power_N.4 | length 8.9
  Top Copper w0.102: v3(-7.3,-9.2) -7.206,-9.2 -6.828,-8.823 -6.444,-8.823 -6.166,-9.1 U1_N.42@-4.9,-9.1 ; U_Power_N.4@-4.75,-4.184 -4.75,-5.266 -4.6,-5.416 v3(-4.6,-5.5)
  Signal Layer 1 w0.102: v3(-7.3,-9.2) -7.3,-8.2 v3(-4.6,-5.5)
SCK_P: U1_P.42 U_Power_P.4 | length 14.4
  Top Copper w0.102: U1_P.42@4.8,-14.6 v3(6.1,-14.6) ; U_Power_P.4@5.25,-4.184 5.25,-3.05 v3(5.3,-3)
  Signal Layer 1 w0.102: v3(5.3,-3) 5.3,-13.8 v3(6.1,-14.6)